# Altium PCB FlatSat.PcbDoc (part 7 of 12)
Units mil, origin at the board's own origin, x right, y up, seen from the top; angles counter-clockwise.
Board outline 4682 x 22047 mil, 4 copper layers (Top Layer, STR GND 1, STR GND 2, Bottom Layer), stack 33.434 mil thick; 381 components, 345 nets, 1605 pads, 1915 vias.
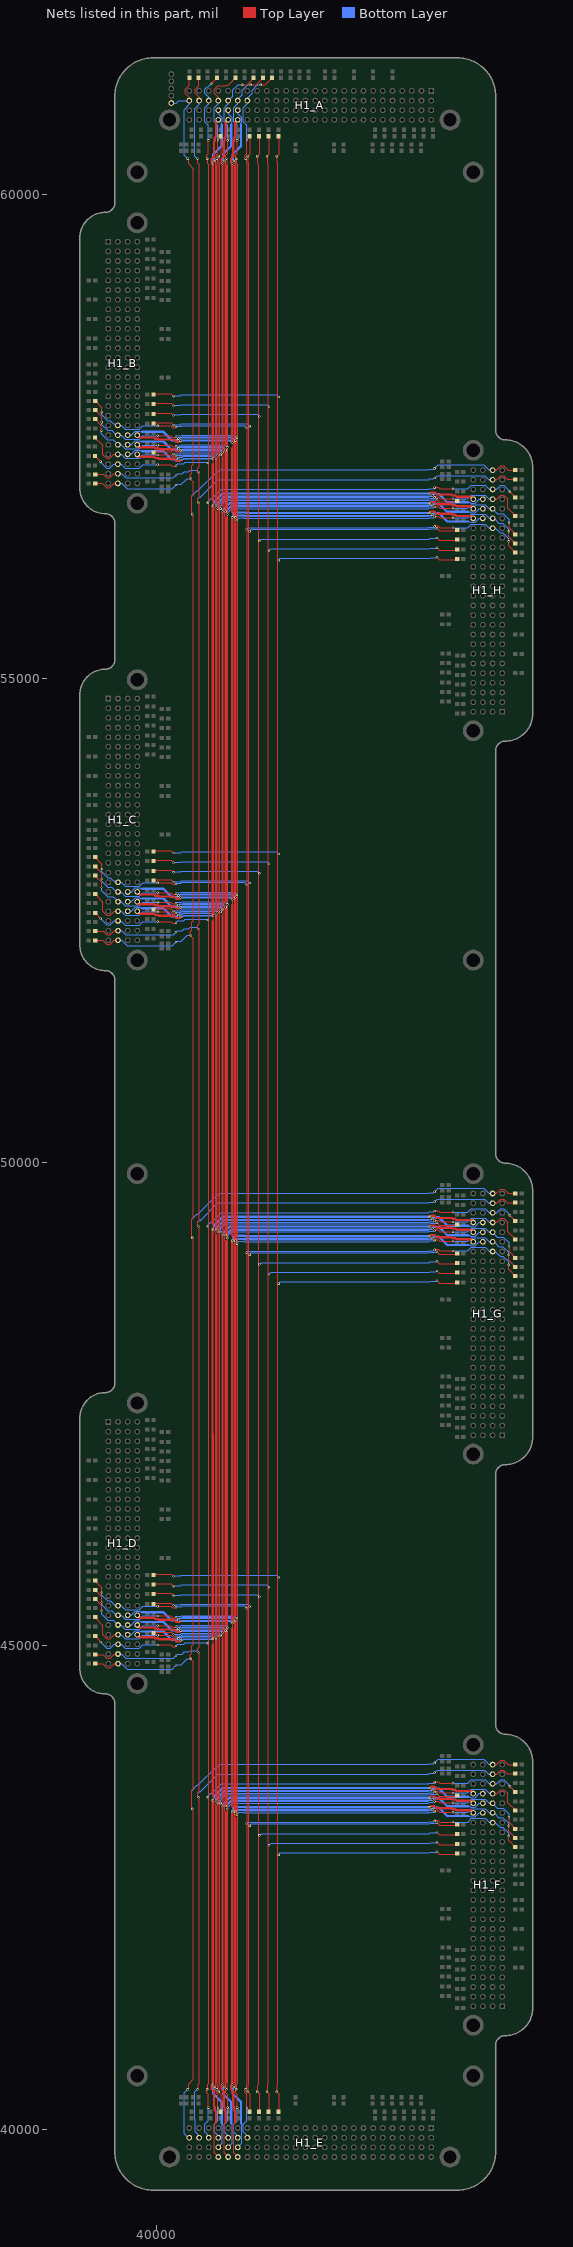
[diagram p9: the nets of this part, all layers, seen from the top]

## Via types
v1: diameter 24, hole 8, Top Layer to Bottom Layer, 1915 vias

## Nets (pads, with @x,y where several pads share a name; then routed paths per layer and width w, separated by ;. In a path a pad name is that pad's centre, name@x,y a point inside that pad or via, vN(x,y) a via of type N, cw(c..) or ccw(c..) an arc to the next point about the centre after c; other vN are vias at no path point) (continued)
BATV_BUS_1: H1_A.97 H1_B.97 H1_C.97 H1_D.97 H1_E.97 H1_F.97 H1_G.97 H1_H.97 | length 32807.6
  Top Layer w8: v1@40604,57283 40604,57331 40612,57339 ; 40612,43341 40604,43349 40604,43393 v1(40612,43401) ; v1(40612,45070) 40604,45078 40604,45122 40612,45130 ; 40612,49246 40604,49254 40604,49298 v1(40612,49306) ; v1(40612,52550) 40604,52558 40604,52602 40612,52610 ; 40612,56726 40604,56734 40604,56778 v1(40612,56786)
  Top Layer w16: v1(40600,40436) 40609,40445 40609,40481 40612,40484 ; v1(40600,60351) 40609,60342 40609,60312 40612,60309 40612,60304
  Top Layer w24: 40612,40484 40612,43341 ; v1(40612,43401) v1(40612,45070) ; 40612,45130 40612,49246 ; v1(40612,49306) v1(40612,52550) ; 40612,52610 40612,56726 ; v1@40612,56786.47 v1(40612,57275) ; 40612,57339 40612,60304
  Bottom Layer w8: H1_D.97@39698,45112 39735,45112 39777.53,45154.53 39823.47,45154.53 39833,45145 39848,45145 ; H1_C.97@39698,52592 39735,52592 39777.53,52634.53 39823.47,52634.53 39833,52625 39848,52625 ; H1_B.97@39698,57317 39735,57317 39776.53,57358.53 39824.47,57358.53 39833,57350 39848,57350 ; 40549,45091 40553,45095 40596,45095 v1@40611,45080 ; 40549,52571 40553,52575 40596,52575 v1@40611,52560 ; 40549,57296 40553,57300 40596,57300 v1@40611,57285 ; H1_E.97@40637,39812 40678.53,39853.53 40678.53,40052.47 40670,40061 ; H1_A.97@40637,60876 40637,60839 40678.53,60797.47 40678.53,60749.53 40670,60741 40670,60726 ; 43223,43438 43238,43438 43247.53,43428.47 43293.47,43428.47 43336,43471 H1_F.97@43373,43471 ; 43223,49343 43238,49343 43247.53,49333.47 43293.47,49333.47 43336,49376 H1_G.97@43373,49376 ; 43223,56823 43238,56823 43247.53,56813.47 43293.47,56813.47 43336,56856 H1_H.97@43373,56856
  Bottom Layer w16: v1(40223,45075) 40232,45084 40260.69,45084 40267.69,45091 40549,45091 ; v1(40223,52555) 40232,52564 40260.69,52564 40267.69,52571 40549,52571 ; v1(40223,57280) 40232,57289 40260.69,57289 40267.69,57296 40549,57296 ; 42801,43496 42806,43496 ; 42801,49401 42806,49401 ; 42801,56881 42806,56881 ; 42809,43499 42839,43499 v1(42848,43508) ; 42809,49404 42839,49404 v1(42848,49413) ; 42809,56884 42839,56884 v1(42848,56893)
  Bottom Layer w22: 40208,45060 v1(40223,45075) ; 40208,52540 v1(40223,52555) ; 40208,57265 v1(40223,57280) ; 40585,40421 v1(40600,40436) ; v1(42848,43508) 42863,43523 ; v1(42848,49413) 42863,49428 ; v1(42848,56893) 42863,56908
  Bottom Layer w24: 39848,45145 40068,45145 40153,45060 40208,45060 ; 39848,52625 40068,52625 40153,52540 40208,52540 ; 39848,57350 40068,57350 40153,57265 40208,57265 ; 40585,40421 40585,40366 40670,40281 40670,40061 ; v1(40600,60351) 40585,60366 40585,60421 40670,60506 40670,60726 ; v1(40612,43401) 40612,43403.8 40616,43407.8 40616,43415.57 40696.43,43496 42801,43496 ; v1(40612,49306) 40612,49308.8 40616,49312.8 40616,49320.57 40696.43,49401 42801,49401 ; v1(40612,56786) 40612,56788.8 40616,56792.8 40616,56800.57 40696.43,56881 42801,56881 ; 42863,43523 42918,43523 43003,43438 43223,43438 ; 42863,49428 42918,49428 43003,49343 43223,49343 ; 42863,56908 42918,56908 43003,56823 43223,56823
BATV_BUS_2: H1_A.98 H1_B.98 H1_C.98 H1_D.98 H1_E.98 H1_F.98 H1_G.98 H1_H.98 | length 31958.7
  Top Layer w8: 40612,40069 40595.47,40052.47 40595.47,39753.53 H1_E.98@40637,39712
  Top Layer w12: v1@40580,43404 40586,43410 40586,43455 40580,43461 ; 40580,45010 40586,45016 40586,45064 v1(40580,45070) ; v1@40580,49309 40586,49315 40586,49360 40580,49366 ; 40580,52490 40586,52496 40586,52544 v1(40580,52550) ; v1@40580,56789 40586,56795 40586,56840 40580,56846 ; 40580,57214 40586,57220 40586,57269 v1(40580,57275)
  Top Layer w22: 40177,45066 40200,45043 40236.25,45043 v1@40248.13,45054.87 ; 40177,52546 40200,52523 40236.25,52523 v1@40248.13,52534.87 ; 40177,57271 40200,57248 40236.25,57248 v1@40248.13,57259.87 ; 40568,60337.75 40568,60374 40591,60397 ; v1@40579.87,40461.13 40568,40449.25 40568,40413 40591,40390 ; 42834.75,43540 42871,43540 42894,43517 ; 42834.75,49445 42871,49445 42894,49422 ; 42834.75,56925 42871,56925 42894,56902
  Top Layer w24: H1_D.98@39798,45112 39823,45087 39972,45087 39984,45075 40012.6,45075 40021.6,45066 40177,45066 ; H1_C.98@39798,52592 39823,52567 39972,52567 39984,52555 40012.6,52555 40021.6,52546 40177,52546 ; H1_B.98@39798,57317 39823,57292 39972,57292 39984,57280 40012.6,57280 40021.6,57271 40177,57271 ; v1@40576.63,49302.63 v1(40580,45070) ; v1@40579.87,40461.13 40580,40461.25 v1(40580,43401) ; 40580,43461 40580,45010 ; 40580,49366 40580,52490 ; v1(40580,52550) v1(40580,56786) ; 40580,56846 40580,57214 ; v1(40580,57275) v1(40580,60326) ; 40591,40390 40591,40234.6 40600,40225.6 40600,40197 40612,40185 40612,40069 ; 40591,60397 40591,60552.4 40600,60561.4 40600,60590 40612,60602 40612,60751 H1_A.98@40637,60776 ; 42894,43517 43049.4,43517 43058.4,43508 43087,43508 43099,43496 43248,43496 H1_F.98@43273,43471 ; 42894,49422 43049.4,49422 43058.4,49413 43087,49413 43099,49401 43248,49401 H1_G.98@43273,49376 ; 42894,56902 43049.4,56902 43058.4,56893 43087,56893 43099,56881 43248,56881 H1_H.98@43273,56856
  Bottom Layer w16: v1(40248,45055) 40265.63,45055 40277.63,45067 40577,45067 v1(40580,45070) v1@40581,45071 ; v1(40248,52535) 40265.63,52535 40277.63,52547 40577,52547 v1(40580,52550) v1@40581,52551 ; v1(40248,57260) 40265.63,57260 40277.63,57272 40577,57272 v1(40580,57275) v1@40581,57276 ; v1@40580,43404 40580,43411.4 40588,43419.4 40588,43439 40594,43445 ; v1@40580,49309 40580,49316.4 40588,49324.4 40588,49344 40594,49350 ; v1@40580,56789 40580,56796.4 40588,56804.4 40588,56824 40594,56830
  Bottom Layer w24: 40592,43439.9 40680.1,43528 v1(42823,43528) ; 40592,49344.9 40680.1,49433 v1(42823,49433) ; 40592,56824.9 40680.1,56913 v1(42823,56913)
  other v1: 40580,40461 40580,49306
BCR_OUT_1: H1_A.93 H1_B.93 H1_C.93 H1_D.93 H1_E.93 H1_F.93 H1_G.93 H1_H.93 | length 32688.8
  Top Layer w8: 40812,43218 40804,43226 40804,43273 v1(40812,43281) ; v1(40812,45255) 40804,45263 40804,45307 40812,45315 ; 40812,49123 40804,49131 40804,49178 v1(40812,49186) ; v1(40812,52735) 40804,52743 40804,52787 40812,52795 ; 40812,56603 40804,56611 40804,56658 v1(40812,56666) ; v1(40812,57460) 40804,57468 40804,57512 40812,57520
  Top Layer w16: v1(40800,40436) 40809,40445 40809,40475 40812,40478 40812,40483 ; v1(40800,60351) 40809,60342 40809,60312 40812,60309 40812,60304
  Top Layer w24: 40812,40483 40812,43218 ; v1(40812,43281) v1(40812,45255) ; 40812,45315 40812,49123 ; v1(40812,49186) v1(40812,52735) ; 40812,52795 40812,56603 ; v1(40812,56666) v1(40812,57460) ; 40812,57520 40812,60304
  Bottom Layer w8: H1_D.93@39698,45312 39735,45312 39777.53,45354.53 39823.47,45354.53 39833,45345 39848,45345 ; H1_C.93@39698,52792 39735,52792 39777.53,52834.53 39823.47,52834.53 39833,52825 39848,52825 ; H1_B.93@39698,57517 39735,57517 39776.53,57558.53 39824.47,57558.53 39833,57550 39848,57550 ; H1_E.93@40837,39812 40878.53,39853.53 40878.53,40052.47 40870,40061 ; H1_A.93@40837,60876 40837,60839 40878.53,60797.47 40878.53,60749.53 40870,60741 40870,60726 ; 43223,43238 43238,43238 43247.53,43228.47 43293.47,43228.47 43336,43271 H1_F.93@43373,43271 ; 43223,49143 43238,49143 43247.53,49133.47 43293.47,49133.47 43336,49176 H1_G.93@43373,49176 ; 43223,56623 43238,56623 43247.53,56613.47 43293.47,56613.47 43336,56656 H1_H.93@43373,56656
  Bottom Layer w16: v1(40223,45275) 40232,45284 40262,45284 ; v1(40223,52755) 40232,52764 40262,52764 ; v1(40223,57480) 40232,57489 40262,57489 ; 40265,45287 40270,45287 ; 40265,52767 40270,52767 ; 40265,57492 40270,57492 ; 42801,43296 42806,43296 ; 42801,49201 42806,49201 ; 42801,56681 42806,56681 ; 42809,43299 42839,43299 v1(42848,43308) ; 42809,49204 42839,49204 v1(42848,49213) ; 42809,56684 42839,56684 v1(42848,56693)
  Bottom Layer w22: 40208,45260 v1(40223,45275) ; 40208,52740 v1(40223,52755) ; 40208,57465 v1(40223,57480) ; 40785,40421 v1(40800,40436) ; 40785,60366 v1(40800,60351) ; v1(42848,43308) 42863,43323 ; v1(42848,49213) 42863,49228 ; v1(42848,56693) 42863,56708
  Bottom Layer w24: 39848,45345 40068,45345 40153,45260 40208,45260 ; 39848,52825 40068,52825 40153,52740 40208,52740 ; 39848,57550 40068,57550 40153,57465 40208,57465 ; 40270,45287 40780,45287 v1(40812,45255) ; 40270,52767 40780,52767 v1(40812,52735) ; 40270,57492 40780,57492 v1(40812,57460) ; 40785,40421 40785,40366 40870,40281 40870,40061 ; 40785,60366 40785,60421 40870,60506 40870,60726 ; v1@40812,43282 40812,43283.8 40828.2,43300 40904,43300 ; v1@40812,49187 40812,49188.8 40828.2,49205 40904,49205 ; v1@40812,56667 40812,56668.8 40828.2,56685 40904,56685 ; 40911,43296 42801,43296 ; 40911,49201 42801,49201 ; 40911,56681 42801,56681 ; 42863,43323 42918,43323 43003,43238 43223,43238 ; 42863,49228 42918,49228 43003,49143 43223,49143 ; 42863,56708 42918,56708 43003,56623 43223,56623
BCR_OUT_2: H1_A.95 H1_B.95 H1_C.95 H1_D.95 H1_E.95 H1_F.95 H1_G.95 H1_H.95 | length 32746.6
  Top Layer w8: 40712,43277 40704,43285 40704,43333 v1(40712,43341) ; v1(40712,45155) 40704,45163 40704,45207 40712,45215 ; 40712,49182 40704,49190 40704,49238 v1(40712,49246) ; v1(40712,52635) 40704,52643 40704,52687 40712,52695 ; 40712,56662 40704,56670 40704,56718 v1(40712,56726) ; v1(40712,57360) 40704,57368 40704,57412 40712,57420
  Top Layer w16: v1(40700,40436) 40708,40444 40708,40479 40712,40483 ; v1(40700,60351) 40709,60342 40709,60312 40712,60309 40712,60304
  Top Layer w24: 40712,40483 40712,43277 ; v1(40712,43341) v1(40712,45155) ; 40712,45215 40712,49182 ; v1(40712,49246) v1(40712,52635) ; 40712,52695 40712,56662 ; v1(40712,56726) v1(40712,57360) ; 40712,57420 40712,60304
  Bottom Layer w8: H1_D.95@39698,45212 39735,45212 39777.53,45254.53 39823.47,45254.53 39833,45245 39848,45245 ; H1_C.95@39698,52692 39735,52692 39777.53,52734.53 39823.47,52734.53 39833,52725 39848,52725 ; H1_B.95@39698,57417 39735,57417 39776.53,57458.53 39824.47,57458.53 39833,57450 39848,57450 ; H1_E.95@40737,39812 40778.53,39853.53 40778.53,40052.47 40770,40061 ; H1_A.95@40737,60876 40737,60839 40778.53,60797.47 40778.53,60749.53 40770,60741 40770,60726 ; 43223,43338 43238,43338 43247.53,43328.47 43293.47,43328.47 43336,43371 H1_F.95@43373,43371 ; 43223,49243 43238,49243 43247.53,49233.47 43293.47,49233.47 43336,49276 H1_G.95@43373,49276 ; 43223,56723 43238,56723 43247.53,56713.47 43293.47,56713.47 43336,56756 H1_H.95@43373,56756
  Bottom Layer w16: v1(40223,45175) 40232,45184 40262,45184 ; v1(40223,52655) 40232,52664 40262,52664 ; v1(40223,57380) 40232,57389 40262,57389 ; 40265,45187 40270,45187 ; 40265,52667 40270,52667 ; 40265,57392 40270,57392 ; 42801,43396 42806,43396 ; 42801,49301 42806,49301 ; 42801,56781 42806,56781 ; 42809,43399 42839,43399 v1(42848,43408) ; 42809,49304 42839,49304 v1(42848,49313) ; 42809,56784 42839,56784 v1(42848,56793)
  Bottom Layer w22: 40208,45160 v1(40223,45175) ; 40208,52640 v1(40223,52655) ; 40208,57365 v1(40223,57380) ; 40685,40421 v1(40700,40436) ; v1(42848,43408) 42863,43423 ; v1(42848,49313) 42863,49328 ; v1(42848,56793) 42863,56808
  Bottom Layer w24: 39848,45245 40068,45245 40153,45160 40208,45160 ; 39848,52725 40068,52725 40153,52640 40208,52640 ; 39848,57450 40068,57450 40153,57365 40208,57365 ; 40270,45187 40680,45187 v1(40712,45155) ; 40270,52667 40680,52667 v1(40712,52635) ; 40270,57392 40680,57392 v1(40712,57360) ; 40685,40421 40685,40366 40770,40281 40770,40061 ; v1(40700,60351) 40685,60366 40685,60421 40770,60506 40770,60726 ; v1(40712,43341) 40712.43,43341 40767.43,43396 40768,43396 ; v1(40712,49246) 40712.43,49246 40767.43,49301 40768,49301 ; v1(40712,56726) 40712.43,56726 40767.43,56781 40768,56781 ; 40770,43396 42801,43396 ; 40770,49301 42801,49301 ; 40770,56781 42801,56781 ; 42863,43423 42918,43423 43003,43338 43223,43338 ; 42863,49328 42918,49328 43003,49243 43223,49243 ; 42863,56808 42918,56808 43003,56723 43223,56723
BCR_OUT_3: H1_A.94 H1_B.94 H1_C.94 H1_D.94 H1_E.94 H1_F.94 H1_G.94 H1_H.94 | length 31917.2
  Top Layer w8: 40780,57380 40788,57388 40788,57432 v1(40780,57440) ; 40812,40069 40795.47,40052.47 40795.47,39753.53 H1_E.94@40837,39712
  Top Layer w12: v1(40780,43281) 40786,43287 40786,43332 40780,43338 ; 40780,45175 40786,45181 40786,45229 v1(40780,45235) ; v1(40780,49186) 40786,49192 40786,49237 40780,49243 ; 40780,52655 40786,52661 40786,52709 v1(40780,52715) ; v1(40780,56666) 40786,56672 40786,56717 40780,56723
  Top Layer w22: 40177,45266 40200,45243 40236.25,45243 v1@40248.13,45254.87 ; 40177,52746 40200,52723 40236.25,52723 v1@40248.13,52734.87 ; 40177,57471 40200,57448 40236.25,57448 v1@40248.13,57459.87 ; v1@40779.87,40461.13 40768,40449.25 40768,40413 40791,40390 ; v1@40779.87,60325.87 40768,60337.75 40768,60374 40791,60397 ; v1(40780,40461) v1(40780,43281) ; v1(40780,52715) v1(40780,56666) ; v1@42822.87,43328.13 42834.75,43340 42871,43340 42894,43317 ; v1@42822.87,49233.13 42834.75,49245 42871,49245 42894,49222 ; v1@42822.87,56713.13 42834.75,56725 42871,56725 42894,56702
  Top Layer w24: H1_D.94@39798,45312 39823,45287 39972,45287 39984,45275 40012.6,45275 40021.6,45266 40177,45266 ; H1_C.94@39798,52792 39823,52767 39972,52767 39984,52755 40012.6,52755 40021.6,52746 40177,52746 ; H1_B.94@39798,57517 39823,57492 39972,57492 39984,57480 40012.6,57480 40021.6,57471 40177,57471 ; 40780,43338 40780,45175 ; v1@40780,45244.37 v1(40780,49186) ; 40780,49243 40780,52655 ; 40780,56723 40780,57380 ; v1(40780,57440) v1(40780,60326) ; 40791,40390 40791,40234.6 40800,40225.6 40800,40197 40812,40185 40812,40069 ; 40791,60397 40791,60552.4 40800,60561.4 40800,60590 40812,60602 40812,60751 H1_A.94@40837,60776 ; 42894,43317 43049.4,43317 43058.4,43308 43087,43308 43099,43296 43248,43296 H1_F.94@43273,43271 ; 42894,49222 43049.4,49222 43058.4,49213 43087,49213 43099,49201 43248,49201 H1_G.94@43273,49176 ; 42894,56702 43049.4,56702 43058.4,56693 43087,56693 43099,56681 43248,56681 H1_H.94@43273,56656
  Bottom Layer w16: v1(40780,43281) 40780,43291.4 40788,43299.4 40788,43306 ; v1(40780,49186) 40780,49196.4 40788,49204.4 40788,49211 ; v1(40780,56666) 40780,56676.4 40788,56684.4 40788,56691 ; 40788,43309 40788,43312 40794,43318 ; 40788,49214 40788,49217 40794,49223 ; 40788,56694 40788,56697 40794,56703
  Bottom Layer w22: v1(40248,45255) 40760,45255 v1(40780,45235) ; v1(40248,52735) 40760,52735 v1(40780,52715) ; v1(40248,57460) 40760,57460 v1(40780,57440) ; 40912,43331 40916.84,43331 40919.84,43328 v1(42823,43328) ; 40912,49236 40916.84,49236 40919.84,49233 v1(42823,49233) ; 40912,56716 40916.84,56716 40919.84,56713 v1(42823,56713)
  Bottom Layer w24: 40794,43318 40808,43332 40912,43332 ; 40794,49223 40808,49237 40912,49237 ; 40794,56703 40808,56717 40912,56717
BCR_OUT_4: H1_A.96 H1_B.96 H1_C.96 H1_D.96 H1_E.96 H1_F.96 H1_G.96 H1_H.96 | length 31906.2
  Top Layer w8: 40712,40069 40695.47,40052.47 40695.47,39753.53 H1_E.96@40737,39712
  Top Layer w12: v1(40680,43341) 40686,43347 40686,43398 40680,43404 ; 40680,45075 40686,45081 40686,45129 v1(40680,45135) ; v1(40680,49246) 40686,49252 40686,49303 40680,49309 ; 40680,52555 40686,52561 40686,52609 v1(40680,52615) ; v1(40680,56726) 40686,56732 40686,56783 40680,56789 ; 40680,57284 40686,57290 40686,57334 v1(40680,57340)
  Top Layer w22: 40177,45166 40200,45143 40236.25,45143 v1@40248.13,45154.87 ; 40177,52646 40200,52623 40236.25,52623 v1@40248.13,52634.87 ; 40177,57371 40200,57348 40236.25,57348 v1@40248.13,57359.87 ; v1@40679.87,40461.13 40668,40449.25 40668,40413 40691,40390 ; v1@40679.87,60325.87 40668,60337.75 40668,60374 40691,60397 ; 42834.75,43440 42871,43440 42894,43417 ; 42834.75,49345 42871,49345 42894,49322 ; 42834.75,56825 42871,56825 42894,56802
  Top Layer w24: H1_D.96@39798,45212 39823,45187 39972,45187 39984,45175 40012.6,45175 40021.6,45166 40177,45166 ; H1_C.96@39798,52692 39823,52667 39972,52667 39984,52655 40012.6,52655 40021.6,52646 40177,52646 ; H1_B.96@39798,57417 39823,57392 39972,57392 39984,57380 40012.6,57380 40021.6,57371 40177,57371 ; v1(40680,40461) v1(40680,43341) ; 40680,43404 40680,45075 ; v1(40680,45135) v1(40680,49246) ; 40680,49309 40680,52555 ; v1(40680,52615) v1(40680,56726) ; 40680,56789 40680,57284 ; v1(40680,57340) v1(40680,60326) ; 40691,40390 40691,40234.6 40700,40225.6 40700,40197 40712,40185 40712,40069 ; 40691,60397 40691,60552.4 40700,60561.4 40700,60590 40712,60602 40712,60751 H1_A.96@40737,60776 ; 42894,43417 43049.4,43417 43058.4,43408 43087,43408 43099,43396 43248,43396 H1_F.96@43273,43371 ; 42894,49322 43049.4,49322 43058.4,49313 43087,49313 43099,49301 43248,49301 H1_G.96@43273,49276 ; 42894,56802 43049.4,56802 43058.4,56793 43087,56793 43099,56781 43248,56781 H1_H.96@43273,56756
  Bottom Layer w16: v1@40681,43341 40684,43344 40684,43352.6 40696.87,43365.47 40696.87,43371.13 ; v1@40681,49246 40684,49249 40684,49257.6 40696.87,49270.47 40696.87,49276.13 ; v1@40681,56726 40684,56729 40684,56737.6 40696.87,56750.47 40696.87,56756.13
  Bottom Layer w24: v1(40248,45155) 40660,45155 v1(40680,45135) ; v1(40248,52635) 40660,52635 v1(40680,52615) ; v1(40248,57360) 40660,57360 v1(40680,57340) ; 40696.87,43371.13 40698.75,43373 40699,43373 40754,43428 v1(42823,43428) ; 40696.87,49276.13 40698.75,49278 40699,49278 40754,49333 v1(42823,49333) ; 40696.87,56756.13 40698.75,56758 40699,56758 40754,56813 v1(42823,56813)
COM_SBAND_INT: R37_A.1 R37_B.1 R37_C.1 R37_D.1 R37_E.1 R37_F.1 R37_G.1 R37_H.1 | length 30082.7
  Top Layer w8: R37_D.1@39965.48,45532 39965.48,45539.67 40148.33,45539.67 v1(40173,45515) ; R37_C.1@39965.48,53012 39965.48,53019.67 40148.33,53019.67 v1(40173,52995) ; R37_B.1@39965.48,57737 39965.48,57744.67 40148.33,57744.67 v1(40173,57720) ; R37_E.1@41057,40178.48 41064.67,40178.48 41064.67,40361.33 v1(41040,40386) 41040,40395 41045,40400 41045,40458.78 41052,40465.78 41052,60321.22 41045,60328.22 41045,60387 41040,60392 v1(41040,60401) 41064.67,60425.67 41064.67,60608.52 R37_A.1@41057,60608.52 ; v1(42898,43068) 42922.67,43043.33 43105.52,43043.33 R37_F.1@43105.52,43051 ; v1(42898,48973) 42922.67,48948.33 43105.52,48948.33 R37_G.1@43105.52,48956 ; v1(42898,56453) 42922.67,56428.33 43105.52,56428.33 R37_H.1@43105.52,56436
  Bottom Layer w8: v1(40173,45515) 40182,45515 40187,45520 40245.78,45520 40252.78,45527 41038,45527 v1(41060,45505) ; v1(40173,52995) 40182,52995 40187,53000 40245.78,53000 40252.78,53007 41038,53007 v1(41060,52985) ; v1(40173,57720) 40182,57720 40187,57725 40245.78,57725 40252.78,57732 41038,57732 v1(41060,57710) ; v1(41060,43038) 41078,43056 42818.22,43056 42825.22,43063 42884,43063 42889,43068 v1(42898,43068) ; v1(41060,48943) 41078,48961 42818.22,48961 42825.22,48968 42884,48968 42889,48973 v1(42898,48973) ; v1(41060,56423) 41078,56441 42818.22,56441 42825.22,56448 42884,56448 42889,56453 v1(42898,56453)
COM_SBAND_SS: R33_A.1 R33_B.1 R33_C.1 R33_D.1 R33_E.1 R33_F.1 R33_G.1 R33_H.1 | length 30082.7
  Top Layer w8: R33_D.1@39965.48,45732 39965.48,45739.67 40148.33,45739.67 v1(40173,45715) ; R33_C.1@39965.48,53212 39965.48,53219.67 40148.33,53219.67 v1(40173,53195) ; R33_B.1@39965.48,57937 39965.48,57944.67 40148.33,57944.67 v1(40173,57920) ; R33_E.1@41257,40178.48 41264.67,40178.48 41264.67,40361.33 v1(41240,40386) 41240,40395 41245,40400 41245,40458.78 41252.01,40465.79 41252.01,60321.21 41245,60328.22 41245,60387 41240,60392 v1(41240,60401) 41264.67,60425.67 41264.67,60608.52 R33_A.1@41257,60608.52 ; v1(42898,42868) 42922.67,42843.33 43105.52,42843.33 R33_F.1@43105.52,42851 ; v1(42898,48773) 42922.67,48748.33 43105.52,48748.33 R33_G.1@43105.52,48756 ; v1(42898,56253) 42922.67,56228.33 43105.52,56228.33 R33_H.1@43105.52,56236
  Bottom Layer w8: v1(40173,45715) 40182,45715 40187,45720 40245.78,45720 40252.78,45727 41238,45727 v1(41260,45705) ; v1(40173,53195) 40182,53195 40187,53200 40245.78,53200 40252.78,53207 41238,53207 v1(41260,53185) ; v1(40173,57920) 40182,57920 40187,57925 40245.78,57925 40252.78,57932 41238,57932 v1(41260,57910) ; v1(41260,42838) 41278,42856 42818.22,42856 42825.22,42863 42884,42863 42889,42868 v1(42898,42868) ; v1(41260,48743) 41278,48761 42818.22,48761 42825.22,48768 42884,48768 42889,48773 v1(42898,48773) ; v1(41260,56223) 41278,56241 42818.22,56241 42825.22,56248 42884,56248 42889,56253 v1(42898,56253)
COM_UHF/VHF_INT: R39_A.1 R39_B.1 R39_C.1 R39_D.1 R39_E.1 R39_F.1 R39_G.1 R39_H.1 | length 30082.7
  Top Layer w8: R39_D.1@39965.48,45432 39965.48,45439.67 40148.33,45439.67 v1(40173,45415) ; R39_C.1@39965.48,52912 39965.48,52919.67 40148.33,52919.67 v1(40173,52895) ; R39_B.1@39965.48,57637 39965.48,57644.67 40148.33,57644.67 v1(40173,57620) ; R39_E.1@40957,40178.48 40964.67,40178.48 40964.67,40361.33 v1(40940,40386) 40940,40395 40945,40400 40945,40458.78 40952,40465.78 40952,60321.22 40945,60328.22 40945,60387 40940,60392 v1(40940,60401) 40964.67,60425.67 40964.67,60608.52 R39_A.1@40957,60608.52 ; v1(42898,43168) 42922.67,43143.33 43105.52,43143.33 R39_F.1@43105.52,43151 ; v1(42898,49073) 42922.67,49048.33 43105.52,49048.33 R39_G.1@43105.52,49056 ; v1(42898,56553) 42922.67,56528.33 43105.52,56528.33 R39_H.1@43105.52,56536
  Bottom Layer w8: v1(40173,45415) 40182,45415 40187,45420 40245.78,45420 40252.78,45427 40938,45427 v1(40960,45405) ; v1(40173,52895) 40182,52895 40187,52900 40245.78,52900 40252.78,52907 40938,52907 v1(40960,52885) ; v1(40173,57620) 40182,57620 40187,57625 40245.78,57625 40252.78,57632 40938,57632 v1(40960,57610) ; v1(40960,43138) 40978,43156 42818.22,43156 42825.22,43163 42884,43163 42889,43168 v1(42898,43168) ; v1(40960,49043) 40978,49061 42818.22,49061 42825.22,49068 42884,49068 42889,49073 v1(42898,49073) ; v1(40960,56523) 40978,56541 42818.22,56541 42825.22,56548 42884,56548 42889,56553 v1(42898,56553)
COM_UHF/VHF_SS: R35_A.2 R35_B.2 R35_C.2 R35_D.2 R35_E.2 R35_F.2 R35_G.2 R35_H.2 | length 30086.5
  Top Layer w8: R35_D.2@39965.48,45632 39965.48,45639.67 40148.33,45639.67 v1(40173,45615) ; R35_C.2@39965.48,53112 39965.48,53119.67 40148.33,53119.67 v1(40173,53095) ; R35_B.2@39965.48,57837 39965.48,57844.67 40148.33,57844.67 v1(40173,57820) ; R35_E.2@41157,40178.48 41164.67,40178.48 41164.67,40361.33 v1(41140,40386) 41140,40395 41145,40400 41145,40458.78 41152,40465.78 41152,60321.22 41145,60328.22 41145,60387 41140,60392 v1(41140,60401) 41164.67,60425.67 41164.67,60608.52 R35_A.2@41157,60608.52 ; v1(42898,42968) 42922.67,42943.33 43105.52,42943.33 R35_F.2@43105.52,42951 ; v1(42898,48873) 42922.67,48848.33 43105.52,48848.33 R35_G.2@43105.52,48856 ; v1(42898,56353) 42922.67,56328.33 43105.52,56328.33 R35_H.2@43105.52,56336
  Bottom Layer w8: v1(40173,45615) 40182,45615 40187,45620 40245.78,45620 40252.78,45627 41138,45627 v1(41160,45605) ; v1(40173,53095) 40182,53095 40187,53100 40245.78,53100 40252.78,53107 41138,53107 v1(41160,53085) ; v1(40173,57820) 40182,57820 40187,57825 40245.78,57825 40252.78,57832 41138,57832 v1(41160,57810) ; v1(41160,42935) 41181,42956 42818.22,42956 42825.22,42963 42884,42963 42889,42968 v1(42898,42968) ; v1(41160,48840) 41181,48861 42818.22,48861 42825.22,48868 42884,48868 42889,48873 v1(42898,48873) ; v1(41160,56320) 41181,56341 42818.22,56341 42825.22,56348 42884,56348 42889,56353 v1(42898,56353)
GND_1: R45_A.1 R45_B.1 R45_C.1 R45_D.1 R45_E.1 R45_F.1 R45_G.1 R45_H.1 | length 30224.7
  Top Layer w8: R45_D.1@39965.48,45132 39965.48,45139.67 40148.33,45139.67 v1(40173,45115) ; R45_C.1@39965.48,52612 39965.48,52619.67 40148.33,52619.67 v1(40173,52595) ; R45_B.1@39965.48,57337 39965.48,57344.67 40148.33,57344.67 v1(40173,57320) ; v1@40652,56756 v1@40652,49284 ; R45_E.1@40657,40178.48 40664.67,40178.48 40664.67,40361.33 v1(40640,40386) 40640,40395 40645,40400 40645,40458.78 40652,40465.78 v1@40652,43379 ; R45_A.1@40657,60608.52 40664.67,60608.52 40664.67,60425.67 v1(40640,60401) 40640,60392 40645,60387 40645,60328.22 40652,60321.22 40652,56764 v1(40660,56756) ; v1(40660,43371) v1@40652,43379 ; v1(40660,49276) v1@40652,49284 ; v1(42898,43468) 42922.67,43443.33 43105.52,43443.33 R45_F.1@43105.52,43451 ; v1(42898,49373) 42922.67,49348.33 43105.52,49348.33 R45_G.1@43105.52,49356 ; v1(42898,56853) 42922.67,56828.33 43105.52,56828.33 R45_H.1@43105.52,56836 ; v1@40652,43379 v1@40652,49284
  Bottom Layer w8: v1(40173,45115) 40182,45115 40187,45120 40245.78,45120 40252.78,45127 40643,45127 40660,45110 v1(40660,45108) ; v1(40173,52595) 40182,52595 40187,52600 40245.78,52600 40252.78,52607 40643,52607 40660,52590 v1(40660,52588) ; v1(40173,57320) 40182,57320 40187,57325 40245.78,57325 40252.78,57332 40643,57332 40660,57315 v1(40660,57313) ; v1@40660,43378.75 40660,43403 40713,43456 42818.22,43456 42825.22,43463 42884,43463 42889,43468 v1(42898,43468) ; v1@40660,49283.75 40660,49308 40713,49361 42818.22,49361 42825.22,49368 42884,49368 42889,49373 v1(42898,49373) ; v1@40660,56763.75 40660,56788 40713,56841 42818.22,56841 42825.22,56848 42884,56848 42889,56853 v1(42898,56853)
GND_2: H1_A.40 H1_B.40 H1_C.40 H1_D.40 H1_E.40 H1_F.40 H1_G.40 H1_H.40 J40_A.1 J40_B.1 J40_C.1 J40_D.1 J40_F.1 J40_G.1 J40_H.1 | length 35819.2
  Top Layer w8: J40_B.1@39362.48,57870.28 39431,57801.76 v1(39431,57754) ; J40_D.1@39363.48,45666.28 39432,45597.76 v1(39432,45550) ; J40_C.1@39363.48,53146.28 39432,53077.76 v1(39432,53030) ; v1(40009,45407) 40146,45407 40163,45390 40193,45390 v1(40198,45395) ; v1(40009,52887) 40146,52887 40163,52870 40193,52870 v1(40198,52875) ; v1(40009,57612) 40146,57612 40163,57595 40193,57595 v1(40198,57600) ; v1(40932,40222) 40932,40359 40915,40376 40915,40406 v1(40920,40411) 40929,40420 40929,40465.41 40936,40472.41 40936,60314.59 40929,60321.59 40929,60367 v1(40920,60376) 40915,60381 40915,60411 40932,60428 v1(40932,60565) ; v1(41074,61138) 41121.76,61138 J40_A.1@41190.28,61206.52 ; v1(42873,43188) 42878,43193 42908,43193 42925,43176 v1(43062,43176) ; v1(42873,49093) 42878,49098 42908,49098 42925,49081 v1(43062,49081) ; v1(42873,56573) 42878,56578 42908,56578 42925,56561 v1(43062,56561) ; v1(43639,43033) 43639,42985.24 J40_F.1@43707.52,42916.72 ; v1(43639,48938) 43639,48890.24 J40_G.1@43707.52,48821.72 ; v1(43639,56418) 43639,56370.24 J40_H.1@43707.52,56301.72
  Bottom Layer w8: v1(39431,57754) 39431,57725.27 39490.27,57666 39519,57666 39568,57617 H1_B.40@39598,57617 39631,57617 39673,57575 39818,57575 39855,57612 v1(40009,57612) ; v1(39432,45550) 39432,45521.27 39491.27,45462 39520,45462 39569,45413 H1_D.40@39599,45413 ; v1(39432,53030) 39432,53001.27 39491.27,52942 39520,52942 39569,52893 H1_C.40@39599,52893 ; H1_D.40@39598,45412 39631,45412 39672.47,45370.53 39818.53,45370.53 39855,45407 v1(40009,45407) ; H1_C.40@39598,52892 39631,52892 39672.47,52850.53 39818.53,52850.53 39855,52887 v1(40009,52887) ; v1(40198,45395) 40207,45404 40252.41,45404 40259.41,45411 40902,45411 v1(40928,45385) ; v1(40198,52875) 40207,52884 40252.41,52884 40259.41,52891 40902,52891 v1(40928,52865) ; v1(40198,57600) 40207,57609 40252.41,57609 40259.41,57616 40902,57616 v1(40928,57590) ; v1(40928,43158) 40942,43172 42811.59,43172 42818.59,43179 42864,43179 v1(42873,43188) ; v1(40928,49063) 40942,49077 42811.59,49077 42818.59,49084 42864,49084 v1(42873,49093) ; v1(40928,56543) 40942,56557 42811.59,56557 42818.59,56564 42864,56564 v1(42873,56573) ; v1(40932,40222) 40932,40089 40895.47,40052.47 40895.47,39972.53 40937,39931 H1_E.40@40937,39912 ; v1(40932,60565) 40932,60719 40895,60756 40895,60901 40937,60943 H1_A.40@40937,60976 40937,61001 40986,61050 40986,61085 41039,61138 v1(41074,61138) ; v1(43062,43176) 43216,43176 43252.47,43212.47 43398.53,43212.47 43440,43171 H1_F.40@43473,43171 ; v1(43062,49081) 43216,49081 43252.47,49117.47 43398.53,49117.47 43440,49076 H1_G.40@43473,49076 ; v1(43062,56561) 43216,56561 43252.47,56597.47 43398.53,56597.47 43440,56556 H1_H.40@43473,56556 ; H1_F.40@43472,43170 43502,43170 43551,43121 43579.73,43121 43639,43061.73 v1(43639,43033) ; H1_G.40@43472,49075 43502,49075 43551,49026 43579.73,49026 43639,48966.73 v1(43639,48938) ; H1_H.40@43472,56555 43502,56555 43551,56506 43579.73,56506 43639,56446.73 v1(43639,56418)
GND_3: H1_A.42 H1_B.42 H1_C.42 H1_D.42 H1_E.42 H1_F.42 H1_G.42 H1_H.42 J42_A.1 J42_B.1 J42_C.1 J42_D.1 J42_F.1 J42_G.1 J42_H.1 | length 35877.9
  Top Layer w8: J42_B.1@39362.48,57775.62 39430,57708.1 v1(39430,57650) ; J42_D.1@39363.48,45571.62 39431,45504.1 v1(39431,45446) ; J42_C.1@39363.48,53051.62 39431,52984.1 v1(39431,52926) ; v1(40009,45307) 40146,45307 40163,45290 40193,45290 v1(40198,45295) ; v1(40009,52787) 40146,52787 40163,52770 40193,52770 v1(40198,52775) ; v1(40009,57512) 40146,57512 40163,57495 40193,57495 v1(40198,57500) ; v1(40832,40222) 40832,40359 40815,40376 40815,40406 v1(40820,40411) 40829,40420 40829,40465.41 40836,40472.41 40836,60314.59 40829,60321.59 40829,60367 v1(40820,60376) 40815,60381 40815,60411 40832,60428 v1(40832,60565) ; v1(40970,61139) 41028.1,61139 J42_A.1@41095.62,61206.52 ; v1(42873,43288) 42878,43293 42908,43293 42925,43276 v1(43062,43276) ; v1(42873,49193) 42878,49198 42908,49198 42925,49181 v1(43062,49181) ; v1(42873,56673) 42878,56678 42908,56678 42925,56661 v1(43062,56661) ; v1(43640,43137) 43640,43078.9 J42_F.1@43707.52,43011.38 ; v1(43640,49042) 43640,48983.9 J42_G.1@43707.52,48916.38 ; v1(43640,56522) 43640,56463.9 J42_H.1@43707.52,56396.38
  Bottom Layer w8: v1(39430,57650) 39430,57626.27 39490.27,57566 39533,57566 39582,57517 H1_B.42@39598,57517 39631,57517 39673,57475 39818,57475 39855,57512 v1(40009,57512) ; v1(39431,45446) 39431,45422.27 39491.27,45362 39534,45362 39583,45313 H1_D.42@39599,45313 ; v1(39431,52926) 39431,52902.27 39491.27,52842 39534,52842 39583,52793 H1_C.42@39599,52793 ; H1_D.42@39598,45312 39631,45312 39672.47,45270.53 39818.53,45270.53 39855,45307 v1(40009,45307) ; H1_C.42@39598,52792 39631,52792 39672.47,52750.53 39818.53,52750.53 39855,52787 v1(40009,52787) ; v1(40198,45295) 40207,45304 40252.41,45304 40259.41,45311 40802,45311 v1(40828,45285) ; v1(40198,52775) 40207,52784 40252.41,52784 40259.41,52791 40802,52791 v1(40828,52765) ; v1(40198,57500) 40207,57509 40252.41,57509 40259.41,57516 40802,57516 v1(40828,57490) ; v1(40828,43251) 40828,43252.94 40851.06,43276 40897.06,43276 40901.06,43272 42811.59,43272 42818.59,43279 42864,43279 v1(42873,43288) ; v1(40828,49156) 40828,49157.94 40851.06,49181 40897.06,49181 40901.06,49177 42811.59,49177 42818.59,49184 42864,49184 v1(42873,49193) ; v1(40828,56636) 40828,56637.94 40851.06,56661 40897.06,56661 40901.06,56657 42811.59,56657 42818.59,56664 42864,56664 v1(42873,56673) ; v1(40832,40222) 40832,40089 40795.47,40052.47 40795.47,39972.53 40837,39931 H1_E.42@40837,39912 ; v1(40832,60565) 40832,60719 40795,60756 40795,60901 40837,60943 H1_A.42@40837,60976 40837,60987 40886,61036 40886,61083.73 40941.27,61139 v1(40970,61139) ; v1(43062,43276) 43216,43276 43252.47,43312.47 43398.53,43312.47 43440,43271 H1_F.42@43473,43271 ; v1(43062,49181) 43216,49181 43252.47,49217.47 43398.53,49217.47 43440,49176 H1_G.42@43473,49176 ; v1(43062,56661) 43216,56661 43252.47,56697.47 43398.53,56697.47 43440,56656 H1_H.42@43473,56656 ; H1_F.42@43472,43270 43488,43270 43537,43221 43579.73,43221 43640,43160.73 v1(43640,43137) ; H1_G.42@43472,49175 43488,49175 43537,49126 43579.73,49126 43640,49065.73 v1(43640,49042) ; H1_H.42@43472,56655 43488,56655 43537,56606 43579.73,56606 43640,56545.73 v1(43640,56522)
GND_4: H1_A.44 H1_B.44 H1_C.44 H1_D.44 H1_E.44 H1_F.44 H1_G.44 H1_H.44 J44_A.1 J44_B.1 J44_C.1 J44_D.1 J44_F.1 J44_G.1 J44_H.1 | length 35982
  Top Layer w8: J44_B.1@39362.48,57680.97 39428,57615.45 v1(39428,57563) ; J44_D.1@39363.48,45476.97 39429,45411.45 v1(39429,45359) ; J44_C.1@39363.48,52956.97 39429,52891.45 v1(39429,52839) ; v1(40009,45207) 40146,45207 40163,45190 40193,45190 v1(40198,45195) ; v1(40009,52687) 40146,52687 40163,52670 40193,52670 v1(40198,52675) ; v1(40009,57412) 40146,57412 40163,57395 40193,57395 v1(40198,57400) ; v1(40732,40222) 40732,40359 40715,40376 40715,40406 v1(40720,40411) 40729,40420 40729,40465.41 40736,40472.41 40736,60314.59 40729,60321.59 40729,60367 v1(40720,60376) 40715,60381 40715,60411 40732,60428 v1(40732,60565) ; v1(40883,61141) 40935.45,61141 J44_A.1@41000.97,61206.52 ; v1(42873,43388) 42878,43393 42908,43393 42925,43376 v1(43062,43376) ; v1(42873,49293) 42878,49298 42908,49298 42925,49281 v1(43062,49281) ; v1(42873,56773) 42878,56778 42908,56778 42925,56761 v1(43062,56761) ; v1(43642,43224) 43642,43171.55 J44_F.1@43707.52,43106.03 ; v1(43642,49129) 43642,49076.55 J44_G.1@43707.52,49011.03 ; v1(43642,56609) 43642,56556.55 J44_H.1@43707.52,56491.03
  Bottom Layer w8: v1(39428,57563) 39428,57528.27 39489.27,57467 39548,57467 H1_B.44@39598,57417 39631,57417 39673,57375 39818,57375 39855,57412 v1(40009,57412) ; v1(39429,45359) 39429,45324.27 39490.27,45263 39549,45263 H1_D.44@39599,45213 ; v1(39429,52839) 39429,52804.27 39490.27,52743 39549,52743 H1_C.44@39599,52693 ; H1_D.44@39598,45212 39631,45212 39672.47,45170.53 39818.53,45170.53 39855,45207 v1(40009,45207) ; H1_C.44@39598,52692 39631,52692 39672.47,52650.53 39818.53,52650.53 39855,52687 v1(40009,52687) ; v1(40198,45195) 40207,45204 40252.41,45204 40259.41,45211 40702,45211 v1(40728,45185) ; v1(40198,52675) 40207,52684 40252.41,52684 40259.41,52691 40702,52691 v1(40728,52665) ; v1(40198,57400) 40207,57409 40252.41,57409 40259.41,57416 40702,57416 v1(40728,57390) ; v1@40730,43309 40736,43315 40736,43330.63 40777.37,43372 42811.59,43372 42818.59,43379 42864,43379 v1(42873,43388) ; v1@40730,49214 40736,49220 40736,49235.63 40777.37,49277 42811.59,49277 42818.59,49284 42864,49284 v1(42873,49293) ; v1@40730,56694 40736,56700 40736,56715.63 40777.37,56757 42811.59,56757 42818.59,56764 42864,56764 v1(42873,56773) ; v1(40732,40222) 40732,40089 40695.47,40052.47 40695.47,39972.53 40737,39931 H1_E.44@40737,39912 ; v1(40732,60565) 40732,60719 40695,60756 40695,60901 40737,60943 H1_A.44@40737,60971 ; H1_A.44@40737,60976 H1_A.44@40737,60971 ; v1(40883,61141) 40840.79,61141 40787,61087.21 40787,61021 H1_A.44@40737,60971 ; v1(43062,43376) 43216,43376 43252.47,43412.47 43398.53,43412.47 43440,43371 H1_F.44@43473,43371 ; v1(43062,49281) 43216,49281 43252.47,49317.47 43398.53,49317.47 43440,49276 H1_G.44@43473,49276 ; v1(43062,56761) 43216,56761 43252.47,56797.47 43398.53,56797.47 43440,56756 H1_H.44@43473,56756 ; H1_F.44@43472,43370 43522,43320 43580.73,43320 43642,43258.73 v1(43642,43224) ; H1_G.44@43472,49275 43522,49225 43580.73,49225 43642,49163.73 v1(43642,49129) ; H1_H.44@43472,56755 43522,56705 43580.73,56705 43642,56643.73 v1(43642,56609)
  other v1: 40728,43311 40728,49216 40728,56696
GND_5: H1_A.46 H1_B.46 H1_C.46 H1_D.46 H1_E.46 H1_F.46 H1_G.46 H1_H.46 J46_A.1 J46_B.1 J46_C.1 J46_D.1 J46_F.1 J46_G.1 J46_H.1 | length 36134.1
  Top Layer w8: J46_B.1@39360.48,57491.66 39440.47,57411.66 39440.47,57315.8 39480.8,57275.47 39515.2,57275.47 39556.73,57317 H1_B.46@39598,57317 ; J46_D.1@39361.48,45287.66 39441.47,45207.66 39441.47,45111.8 39481.8,45071.47 39516.2,45071.47 39557.73,45113 H1_D.46@39599,45113 ; J46_C.1@39361.48,52767.66 39441.47,52687.66 39441.47,52591.8 39481.8,52551.47 39516.2,52551.47 39557.73,52593 H1_C.46@39599,52593 ; v1(40009,45107) 40146,45107 40163,45090 40193,45090 v1(40198,45095) ; v1(40009,52587) 40146,52587 40163,52570 40193,52570 v1(40198,52575) ; v1(40009,57312) 40146,57312 40163,57295 40193,57295 v1(40198,57300) ; v1(40628,43371) v1@40636,43363 ; v1@40628,43372 40636,43380 ; v1(40628,49276) v1@40636,49268 ; v1@40628,49277 40636,49285 ; v1(40628,56756) v1@40636,56748 ; v1@40628,56757 40636,56765 ; v1(40632,40222) 40632,40359 40615,40376 40615,40406 v1(40620,40411) 40629,40420 40629,40465.41 40636,40472.41 v1@40636,43363 ; v1(40632,60565) 40632,60428 40615,60411 40615,60381 v1(40620,60376) 40629,60367 40629,60321.59 40636,60314.59 40636,56765 ; H1_A.46@40637,60971 H1_A.46@40637,60976 40637,61012.27 40595.47,61053.8 40595.47,61093.2 40630.8,61128.53 40708.17,61128.53 40713.17,61133.53 40736.66,61133.53 J46_A.1@40811.66,61208.52 ; v1(42873,43488) 42878,43493 42908,43493 42925,43476 v1(43062,43476) ; v1(42873,49393) 42878,49398 42908,49398 42925,49381 v1(43062,49381) ; v1(42873,56873) 42878,56878 42908,56878 42925,56861 v1(43062,56861) ; H1_F.46@43472,43470 43513.27,43470 43554.8,43511.53 43589.2,43511.53 43629.53,43471.2 43629.53,43375.34 J46_F.1@43709.52,43295.34 ; H1_G.46@43472,49375 43513.27,49375 43554.8,49416.53 43589.2,49416.53 43629.53,49376.2 43629.53,49280.34 J46_G.1@43709.52,49200.34 ; H1_H.46@43472,56855 43513.27,56855 43554.8,56896.53 43589.2,56896.53 43629.53,56856.2 43629.53,56760.34 J46_H.1@43709.52,56680.34 ; v1@40636,43363 40636,43380 ; 40636,43380 v1@40636,49268 ; v1@40636,49268 40636,49285 ; 40636,49285 v1@40636,56748 ; v1@40636,56748 40636,56765
  Bottom Layer w8: H1_D.46@39598,45112 39631,45112 39672.47,45070.53 39818.53,45070.53 39855,45107 v1(40009,45107) ; H1_C.46@39598,52592 39631,52592 39672.47,52550.53 39818.53,52550.53 39855,52587 v1(40009,52587) ; H1_B.46@39598,57317 39631,57317 39673,57275 39818,57275 39855,57312 v1(40009,57312) ; v1(40198,45095) 40207,45104 40252.41,45104 40259.41,45111 40618,45111 v1@40630,45099 ; v1(40198,52575) 40207,52584 40252.41,52584 40259.41,52591 40618,52591 v1@40630,52579 ; v1(40198,57300) 40207,57309 40252.41,57309 40259.41,57316 40618,57316 v1@40630,57304 ; v1(40628,43371) 40628,43372.94 40640,43384.94 40640,43405.63 40706.37,43472 42810.94,43472 42817.94,43479 42864,43479 v1(42873,43488) ; v1(40628,49276) 40628,49277.94 40640,49289.94 40640,49310.63 40706.37,49377 42810.94,49377 42817.94,49384 42864,49384 v1(42873,49393) ; v1(40628,56756) 40628,56757.94 40640,56769.94 40640,56790.63 40706.37,56857 42810.94,56857 42817.94,56864 42864,56864 v1(42873,56873) ; v1(40632,40222) 40632,40089 40595.47,40052.47 40595.47,39972.53 40637,39931 H1_E.46@40637,39912 ; v1(40632,60565) 40632,60719 40595,60756 40595,60901 40637,60943 H1_A.46@40637,60976 ; v1(43062,43476) 43216,43476 43252.47,43512.47 43398.53,43512.47 43440,43471 H1_F.46@43473,43471 ; v1(43062,49381) 43216,49381 43252.47,49417.47 43398.53,49417.47 43440,49376 H1_G.46@43473,49376 ; v1(43062,56861) 43216,56861 43252.47,56897.47 43398.53,56897.47 43440,56856 H1_H.46@43473,56856
  other v1: 40628,45100 40628,52580 40628,57305
GND_6: H1_A.48 H1_B.48 H1_C.48 H1_D.48 H1_E.48 H1_F.48 H1_G.48 H1_H.48 J48_A.1 J48_B.1 J48_C.1 J48_D.1 J48_F.1 J48_G.1 J48_H.1 | length 35458.2
  Top Layer w8: J48_B.1@39361.48,57300 39361.48,57299.52 v1(39419,57242) ; J48_D.1@39362.48,45095.52 v1@39420,45038 ; J48_C.1@39362.48,52575.52 v1@39420,52518 ; v1(40009,45007) 40146,45007 40163,44990 40193,44990 v1(40198,44995) ; v1(40009,52487) 40146,52487 40163,52470 40193,52470 v1(40198,52475) ; v1(40009,57212) 40146,57212 40163,57195 40193,57195 v1(40198,57200) ; v1(40532,40222) 40532,40359 40515,40376 40515,40406 v1(40520,40411) 40529,40420 40529,40465.41 40536,40472.41 40536,56992 ; v1(40532,60565) 40532,60428 40515,60411 40515,60381 v1(40520,60376) 40529,60367 40529,60321.59 40536,60314.59 40536,56993 ; v1(40562,61150) J48_A.1@40619.52,61207.52 ; v1(42873,43588) 42878,43593 42908,43593 42925,43576 v1(43062,43576) ; v1(42873,49493) 42878,49498 42908,49498 42925,49481 v1(43062,49481) ; v1(42873,56973) 42878,56978 42908,56978 42925,56961 v1(43062,56961) ; v1(43651,43545) J48_F.1@43708.52,43487.48 ; v1(43651,49450) J48_G.1@43708.52,49392.48 ; v1(43651,56930) J48_H.1@43708.52,56872.48
  Bottom Layer w8: v1(39419,57242) 39419,57237.27 39480.8,57175.47 39515.2,57175.47 39556.73,57217 H1_B.48@39598,57217 39631,57217 39673,57175 39818,57175 39855,57212 v1(40009,57212) ; v1@39420,45038 39420,45033.27 39481.8,44971.47 39516.2,44971.47 39557.73,45013 H1_D.48@39599,45013 ; v1@39420,52518 39420,52513.27 39481.8,52451.47 39516.2,52451.47 39557.73,52493 H1_C.48@39599,52493 ; H1_D.48@39598,45012 39631,45012 39672.47,44970.53 39818.53,44970.53 39855,45007 v1(40009,45007) ; H1_C.48@39598,52492 39631,52492 39672.47,52450.53 39818.53,52450.53 39855,52487 v1(40009,52487) ; v1(40198,44995) 40218,45015 40276.55,45015 40292.55,45031 40521,45031 v1@40529,45023 ; v1(40198,52475) 40218,52495 40276.55,52495 40292.55,52511 40521,52511 v1@40529,52503 ; v1(40198,57200) 40218,57220 40276.55,57220 40292.55,57236 40521,57236 v1@40529,57228 ; v1(40528,43431.25) 40528,43442 40559.5,43473.5 40569.03,43473.5 40667.53,43572 42811.59,43572 42818.59,43579 42864,43579 v1(42873,43588) ; v1(40528,49336.25) 40528,49347 40559.5,49378.5 40569.03,49378.5 40667.53,49477 42811.59,49477 42818.59,49484 42864,49484 v1(42873,49493) ; v1(40528,56816.25) 40528,56827 40559.5,56858.5 40569.03,56858.5 40667.53,56957 42811.59,56957 42818.59,56964 42864,56964 v1(42873,56973) ; v1(40532,40222) 40532,40089 40495.47,40052.47 40495.47,39972.53 40537,39931 H1_E.48@40537,39912 ; v1(40532,60565) 40532,60719 40495,60756 40495,60901 40537,60943 H1_A.48@40537,60976 40537,61012.27 40495.47,61053.8 40495.47,61093.2 40519.8,61117.53 40529.53,61117.53 v1(40562,61150) ; v1(43062,43576) 43216,43576 43252.47,43612.47 43398.53,43612.47 43440,43571 H1_F.48@43473,43571 ; v1(43062,49481) 43216,49481 43252.47,49517.47 43398.53,49517.47 43440,49476 H1_G.48@43473,49476 ; v1(43062,56961) 43216,56961 43252.47,56997.47 43398.53,56997.47 43440,56956 H1_H.48@43473,56956 ; H1_F.48@43472,43570 43513.27,43570 43554.8,43611.53 43589.2,43611.53 43651,43549.73 v1(43651,43545) ; H1_G.48@43472,49475 43513.27,49475 43554.8,49516.53 43589.2,49516.53 43651,49454.73 v1(43651,49450) ; H1_H.48@43472,56955 43513.27,56955 43554.8,56996.53 43589.2,56996.53 43651,56934.73 v1(43651,56930)
  other v1: 40528,45023 39419,45038 40528,52503 39419,52518 40528,57228
GND_7: H1_A.50 H1_B.50 H1_C.50 H1_D.50 H1_E.50 H1_F.50 H1_G.50 H1_H.50 J50_A.1 J50_B.1 J50_C.1 J50_D.1 J50_F.1 J50_G.1 J50_H.1 | length 35386
  Top Layer w8: J50_B.1@39362.48,57111.66 39444.62,57111.66 39480.8,57075.47 39515.2,57075.47 39556.73,57117 H1_B.50@39598,57117 ; J50_D.1@39363.48,44907.66 39445.62,44907.66 39481.8,44871.47 39516.2,44871.47 39557.73,44913 H1_D.50@39599,44913 ; J50_C.1@39363.48,52387.66 39445.62,52387.66 39481.8,52351.47 39516.2,52351.47 39557.73,52393 H1_C.50@39599,52393 ; v1(40420,40411) 40429,40420 40429,40465.41 40440,40476.41 40440,43431 v1(40432,43431) ; v1(40420,60376) 40424,60372 40424,60326.59 40440,60310.59 40440,57189.94 40424,57173.94 v1@40424,57140 ; v1@40424,44929 40424,44968.94 40440,44984.94 ; v1@40424,52409 40424,52448.94 40440,52464.94 ; v1@40430,43431 40424,43437 40424,43476 40440,43492 40440,44929 v1(40432,44929) ; v1@40430,49336 40424,49342 40424,49381 40440,49397 40440,52409 v1(40432,52409) ; v1@40430,56816 40424,56822 40424,56861 40440,56877 40440,57113.94 40432,57121.94 v1(40432,57134) ; J50_A.1@40431.66,61206.52 40431.66,61130.66 40395.47,61094.47 40395.47,61053.8 40437,61012.27 H1_A.50@40437,60976 H1_A.50@40437,60971 ; v1(40432,49336) 40440,49336 40440,44985 ; v1(40432,56816) 40440,56816 40440,52465 ; H1_F.50@43472,43670 43513.27,43670 43554.8,43711.53 43589.2,43711.53 43625.38,43675.34 J50_F.1@43707.52,43675.34 ; H1_G.50@43472,49575 43513.27,49575 43554.8,49616.53 43589.2,49616.53 43625.38,49580.34 J50_G.1@43707.52,49580.34 ; H1_H.50@43472,57055 43513.27,57055 43554.8,57096.53 43589.2,57096.53 43625.38,57060.34 J50_H.1@43707.52,57060.34
  Bottom Layer w8: H1_D.50@39600.48,44912 39638,44912 39679.47,44870.53 40173.53,44870.53 ; H1_C.50@39600.48,52392 39638,52392 39679.47,52350.53 40173.53,52350.53 ; H1_B.50@39600.48,57117 39638,57117 39680.53,57074.47 39774.12,57074.47 39774.17,57074.53 40172.53,57074.53 v1(40198,57100) 40216,57118 40262.57,57118 40284.57,57140 40330.8,57140 40344.8,57154 40415,57154 v1@40432,57137 ; 40172.53,44869.53 40173.53,44870.53 ; 40172.53,52349.53 40173.53,52350.53 ; v1(40420,40411) 40394.53,40385.53 40394.53,40104.94 40395.47,40104 40395.47,39972.53 40437,39931 H1_E.50@40437,39912 ; v1(40420,60376) 40394.53,60401.47 40394.53,60799.83 40394.47,60799.88 40394.47,60893.47 40437,60936 H1_A.50@40437,60973.52 ; v1@40429,43431 40424,43436 40424,43475.24 40438.76,43490 40449.76,43490 40631.76,43672 42811.59,43672 42818.59,43679 42864,43679 v1(42873,43688) 42897.47,43712.47 43391.53,43712.47 43433,43671 H1_F.50@43470.52,43671 ; v1@40429,49336 40424,49341 40424,49380.24 40438.76,49395 40449.76,49395 40631.76,49577 42811.59,49577 42818.59,49584 42864,49584 v1(42873,49593) 42897.47,49617.47 43391.53,49617.47 43433,49576 H1_G.50@43470.52,49576 ; v1@40429,56816 40424,56821 40424,56860.24 40438.76,56875 40449.76,56875 40631.76,57057 42811.59,57057 42818.59,57064 42864,57064 v1(42873,57073) 42897.47,57097.47 43391.53,57097.47 43433,57056 H1_H.50@43470.52,57056 ; v1@40432,44932 40415,44949 40344.8,44949 40330.8,44935 40284.57,44935 40262.57,44913 40216,44913 v1(40198,44895) 40173.53,44870.53 ; v1@40432,52412 40415,52429 40344.8,52429 40330.8,52415 40284.57,52415 40262.57,52393 40216,52393 v1(40198,52375) 40173.53,52350.53
GND_8: H1_A.52 H1_B.52 H1_C.52 H1_D.52 H1_E.52 H1_F.52 H1_G.52 H1_H.52 J52_A.1 J52_B.1 J52_C.1 J52_D.1 J52_F.1 J52_G.1 J52_H.1 pad.11 | length 36240.4
  Top Layer w8: v1(40320,40411) 40329,40420 40329,40466.63 40376,40513.63 40376,43311 v1(40368,43311) ; v1(40320,60376) 40329,60367 40329,60320.37 40376,60273.37 40376,57216.45 40360,57200.45 40360,57123.94 40344,57107.94 40344,57088.06 40349,57083.06 v1@40349,57070 ; v1@40344,44863 40344,44902.94 40360,44918.94 40360,44998 40376,45014 40376,49216 v1(40368,49216) ; v1@40344,52343 40344,52382.94 40360,52398.94 40360,52478 40376,52494 40376,56696 v1(40368,56696) ; v1(40352,44863) 40352,44857.37 40376,44833.37 40376,43518.51 40360,43502.51 v1@40360,43310 ; v1(40352,52343) 40352,52337.37 40376,52313.37 40376,49423.51 40360,49407.51 v1@40360,49215 ; v1(40352,57068) 40352,57055.94 40375.94,57032 40376,57032 40376,56903.51 40360,56887.51 v1@40360,56695
  Top Layer w10: J52_B.1@39362.48,57017 39437.86,57017 39480.38,56974.47 39515.62,56974.47 39558.14,57017 H1_B.52@39598,57017 ; J52_D.1@39363.48,44813 39438.86,44813 39481.38,44770.47 39516.62,44770.47 39559.14,44813 H1_D.52@39599,44813 ; J52_C.1@39363.48,52293 39438.86,52293 39481.38,52250.47 39516.62,52250.47 39559.14,52293 H1_C.52@39599,52293 ; H1_A.52@40337,60971 H1_A.52@40337,60976 40337,61010.86 40294.47,61053.38 40294.47,61093.62 40337,61136.14 J52_A.1@40337,61206.52 ; H1_F.52@43472,43770 43511.86,43770 43554.38,43812.53 43589.62,43812.53 43632.14,43770 J52_F.1@43707.52,43770 ; H1_G.52@43472,49675 43511.86,49675 43554.38,49717.53 43589.62,49717.53 43632.14,49675 J52_G.1@43707.52,49675 ; H1_H.52@43472,57155 43511.86,57155 43554.38,57197.53 43589.62,57197.53 43632.14,57155 J52_H.1@43707.52,57155
  Bottom Layer w8: H1_D.52@39600.48,44812 39638,44812 39692,44758 40161,44758 v1(40198,44795) 40207,44804 40253.57,44804 40312.57,44863 v1(40352,44863) ; H1_C.52@39600.48,52292 39638,52292 39692,52238 40161,52238 v1(40198,52275) 40207,52284 40253.57,52284 40312.57,52343 v1(40352,52343) ; H1_B.52@39600.48,57017 39638,57017 39692,56963 40161,56963 v1(40198,57000) 40207,57009 40253.57,57009 40312.57,57068 v1(40352,57068) ; v1(40320,40411) 40283,40374 40283,39954 40325,39912 H1_E.52@40337,39912 ; v1(40320,60376) 40283,60413 40283,60882 40337,60936 H1_A.52@40337,60973.52 ; v1@40365,43310 40367.63,43312.63 40367.63,43321.43 40360,43329.06 40360,43501.75 40412.25,43554 40423.25,43554 40624.25,43755 40635.2,43755 40652.2,43772 42811.59,43772 42818.59,43779 42864,43779 v1(42873,43788) 42910,43825 43379,43825 43433,43771 H1_F.52@43470.52,43771 ; v1@40365,49215 40367.63,49217.63 40367.63,49226.43 40360,49234.06 40360,49406.75 40412.25,49459 40423.25,49459 40624.25,49660 40635.2,49660 40652.2,49677 42811.59,49677 42818.59,49684 42864,49684 v1(42873,49693) 42910,49730 43379,49730 43433,49676 H1_G.52@43470.52,49676 ; v1@40365,56695 40367.63,56697.63 40367.63,56706.43 40360,56714.06 40360,56886.75 40412.25,56939 40423.25,56939 40624.25,57140 40635.2,57140 40652.2,57157 42811.59,57157 42818.59,57164 42864,57164 v1(42873,57173) 42910,57210 43379,57210 43433,57156 H1_H.52@43470.52,57156
  Bottom Layer w10: pad.11@40150,60950 40200,60950 40226,60976 H1_A.52@40337,60976